# KiCad board HPM6750_COMBO_RevB .kicad_pcb (continued)
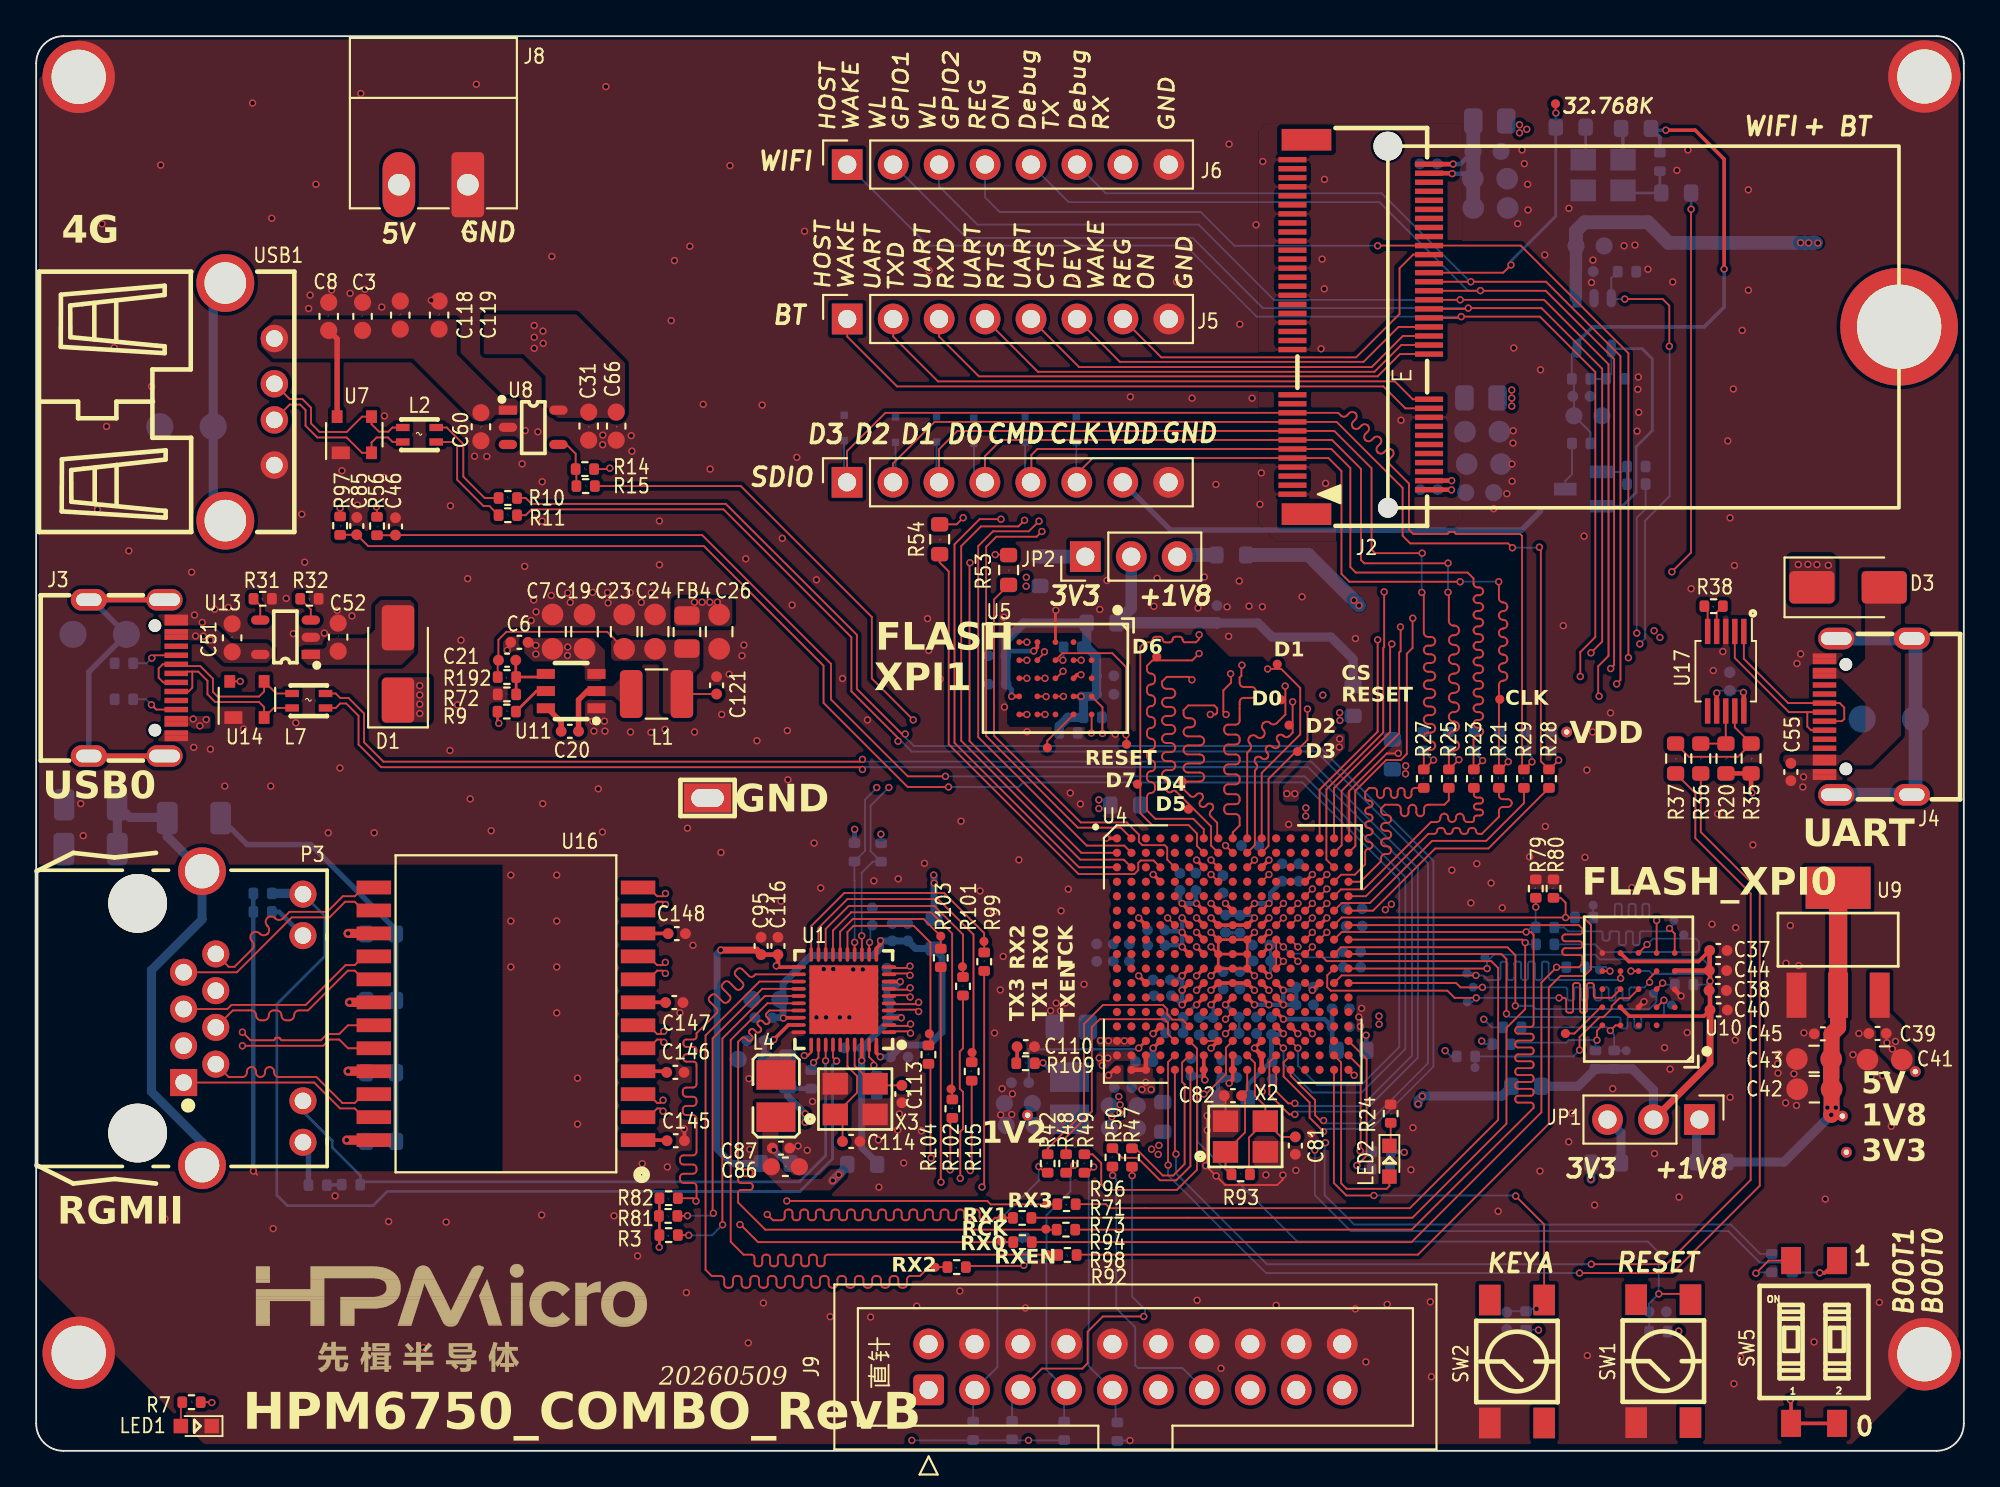
[diagram p0: board, top side]
## Routing (per net, layer and track width the routed paths; a pad name or vN(x,y) marks a point on that pad's centre or on a via; arc(x,y) is an arc through that point) (continued)
/01.MAIN/PY4: length 15
  Top w0.102: R42.2 55.91,16.72 57.92,18.73 57.92,23.61 58.97,24.66 62.28,24.66 62.52,24.42 62.52,24.13 62.8,23.85 63.36,23.85 U4.P6
/01.MAIN/PY6: length 65.7
  Top w0.102: v1(63,16.41) 62.94,16.47 U4.U5 ; R37.2 91.71,36.37 91.71,33.88 94.77,30.82 94.77,14.98 90.11,10.32 v1(85.96,10.32)
  Bottom w0.102: v1(63,16.41) 63,15.35 68.03,10.32 v1(85.96,10.32)
/01.MAIN/PY7: length 67.9
  Top w0.102: U4.T5 62.56,21.49 62.56,15.91 62.57,15.9 v1(62.57,15.8) ; R36.2 92.01,34.22 95.27,30.96 95.27,14.66 90.44,9.83 v1(85.31,9.83)
  Bottom w0.102: v1(85.31,9.83) 67.98,9.83 62.57,15.24 v1(62.57,15.8)
/01.MAIN/PZ1: length 41
  Top w0.102: v1(64.54,19.73) 64.66,19.73 65.76,20.83 65.76,22.29 U4.R9 ; SW1.4 91.12,8.68 v1(89.69,8.68)
  Bottom w0.102: R57.2 89.16,7.68 C48.1 89.15,8.14 v1(89.69,8.68) 89.69,10.97 89.09,11.57 69.72,11.57 64.19,17.1 64.19,19.38 v1(64.54,19.73)
/01.MAIN/PZ6: length 40.3
  Top w0.102: U4.N9 v1(65.74,23.87)
  POWER3 w0.102: v1(65.74,23.87) 66.27,23.87 66.61,23.53 66.61,20.61 66.83,20.39 66.83,19.29 69.08,17.04 v1(71.27,17.04)
  Bottom w0.102: R26.2 95.29,10.89 93.67,12.51 72.85,12.51 71.22,14.14 71.22,16.99 v1(71.27,17.04)
/01.MAIN/PZ7: length 40.7
  Top w0.102: U4.P9 v1(65.74,23.07)
  POWER3 w0.102: v1(65.74,23.07) 66.19,22.62 66.19,20.58 66.45,20.32 66.45,19.15 68.97,16.63 v1(70.68,16.63)
  Bottom w0.102: v1(70.68,16.63) 70.68,14.14 72.67,12.15 93.54,12.15 95.28,10.41 96.6,10.41 R39.2
/01.MAIN/USB0_N: length 88.2
  Top w0.102: U4.T12 68.16,21.49 68.16,19.71 69.26,18.61 v1(69.57,18.61) ; v1(45.67,38.24) 45.54,38.11 19.2,38.11 18.12,39.18 18.12,40.77 17.26,41.63 16.81,41.63 16.56,41.88 16,41.88
  Bottom w0.102: v1(45.67,38.24) 45.8,38.11 70.49,38.11 76.37,32.23 76.37,21.74 73.38,18.76 69.72,18.76 v1(69.57,18.61)
/01.MAIN/USB0_P: length 85.4
  Top w0.102: v1(45.67,37.68) 45.54,37.81 19.07,37.81 17.82,39.06 17.82,40.65 17.14,41.33 16.81,41.33 16.56,41.08 16,41.08 ; U4.U12 68.54,19.88 69.21,19.21 v1(69.57,19.21)
  Bottom w0.102: v1(45.67,37.68) 45.8,37.81 70.3,37.81 76.05,32.06 76.05,21.86 73.26,19.06 69.72,19.06 v1(69.57,19.21)
/01.MAIN/USB1_N: length 85
  Top w0.102: v1(71.16,17.66) 70.39,18.43 70.39,19.26 68.95,20.7 68.95,21.48 U4.T13 ; v1(48.04,39.64) 47.86,39.64 45.36,42.13 45.36,45.12 38.12,52.37 27.38,52.37 27.06,52.69 R10.2
  Bottom w0.102: v1(71.16,17.66) 71.31,17.81 73.79,17.81 77.23,21.25 77.23,32.62 70.88,38.97 48.52,38.97 48.04,39.46 v1(48.04,39.64)
/01.MAIN/USB1_P: length 82.4
  Top w0.102: v1(71.16,18.26) 70.98,18.26 70.69,18.55 70.69,19.39 69.34,20.75 U4.U13 ; v1(47.64,39.24) 47.64,39.42 45.06,42.01 45.06,45 37.99,52.06 27.38,52.06 27.06,51.74 R11.2
  Bottom w0.102: v1(47.64,39.24) 47.82,39.24 48.4,38.67 70.76,38.67 76.93,32.5 76.93,21.43 73.61,18.11 71.31,18.11 v1(71.16,18.26)
CK_P: length 28.1
  Top w0.102: U4.A9 66.14,34.2 66.52,34.58 66.52,34.99 arc(66.46,35.14) 66.3,35.21 65.89,35.21 arc(65.73,35.27) 65.67,35.43 65.67,35.54 arc(65.73,35.69) 65.89,35.76 66.3,35.76 arc(66.46,35.82) 66.52,35.98 66.52,36.09 arc(66.46,36.24) 66.3,36.31 65.89,36.31 arc(65.73,36.37) 65.67,36.53 65.67,36.64 arc(65.73,36.79) 65.89,36.86 66.3,36.86 arc(66.46,36.92) 66.52,37.08 66.52,37.19 arc(66.46,37.34) 66.3,37.41 65.89,37.41 arc(65.73,37.47) 65.67,37.63 65.67,37.74 arc(65.73,37.89) 65.89,37.96 66.3,37.96 arc(66.46,38.02) 66.52,38.18 66.52,38.29 arc(66.46,38.44) 66.3,38.51 65.89,38.51 arc(65.73,38.57) 65.67,38.73 65.67,38.84 arc(65.73,38.99) 65.89,39.06 66.3,39.06 arc(66.46,39.12) 66.52,39.28 66.52,39.39 arc(66.46,39.54) 66.3,39.61 65.89,39.61 arc(65.73,39.67) 65.67,39.83 65.67,39.94 arc(65.73,40.09) 65.89,40.16 66.3,40.16 arc(66.46,40.22) 66.52,40.38 66.52,41.4 arc(66.59,41.57) 66.76,41.64 67.18,41.64 arc(67.35,41.71) 67.42,41.88 67.42,42 arc(67.35,42.17) 67.18,42.24 66.76,42.24 arc(66.59,42.31) 66.52,42.48 66.52,42.76 66.62,42.86 66.62,43.42 v1(66.65,43.45) ; v1(57.76,43.72) U5.B2
  POWER3 w0.102: v1(66.65,43.45) 66.59,43.5 65.71,43.5 arc(65.58,43.55) 65.53,43.68 arc(65.48,43.8) 65.36,43.85 65.11,43.85 arc(64.98,43.8) 64.93,43.68 arc(64.88,43.55) 64.76,43.5 64.16,43.5 63.94,43.72 61.26,43.72 arc(61.19,43.69) 61.16,43.62 arc(61.13,43.55) 61.06,43.52 60.58,43.52 arc(60.51,43.55) 60.48,43.62 arc(60.45,43.69) 60.38,43.72 59.9,43.72 arc(59.83,43.69) 59.8,43.62 arc(59.77,43.55) 59.7,43.52 59.22,43.52 arc(59.15,43.55) 59.12,43.62 arc(59.09,43.69) 59.02,43.72 v1(57.76,43.72)
DCDC_GND: length 0.9
  Top w0.102: 59.73,22.68 U4.R1 U4.R2
  Bottom w0.102: 59.53,20.03 C91.2 ; C96.2 59.32,17.85
  vias: v1(58.83,22.69) v1(59.27,22.68) v1(59.45,18.47) v1(59.84,19.59) v1(59.91,19.14) v1(59.91,18.68) v1(60.15,22.67)
DCDC_IN: length 1.6
  Top w0.25: U4.U2 U4.U3 U4.T3
  vias: v1(61.12,19.98) v1(61.33,20.38) v1(61.63,19.98)
DCDC_LP: length 3.2
  Top w0.102: 59.72,21.89 U4.T1
  Top w0.2: R109.2 55.62,21.43 v1(55.65,21.46)
  Bottom w0.102: 57.76,21.31 L3.1
  Bottom w0.2: L3.1 56.44,20.67 v1(55.65,21.46)
  vias: v1(58.76,21.72) v1(58.93,21.31) v1(59.23,21.72)
Earth: length 18.8
  Top w0.3: J3.2 J3.4 ; J3.3 J3.1
  Bottom w0.3: J3.4 2.91,43.08 4.98,45.15 3.07,47.06 J3.3
VANA: length 5.8
  Top w0.2: U4.N12 v1(68.94,23.87)
  Bottom w0.254: v1(68.94,23.87) 71.21,23.87 C107.1 ; C106.1 C107.1 ; C107.1 71.63,22.4 71.88,22.15
Net-(C10-Pad1): length 11
  Top w0.254: J2.72 78.25,70.65 v1(78.27,70.63) ; J2.74 78.31,71.15 v1(78.32,71.16)
  Bottom w0.254: C9.1 79.13,70.63 v1(78.27,70.63) ; C10.1 78.72,71.16 v1(78.32,71.16) 77.45,71.16 C4.1
  Bottom w0.762: R66.1 79.43,68.73 79.44,68.73
Net-(C22-Pad1): length 2.6
  Top w0.254: v1(78.23,53.14) 78.22,53.15 J2.2 ; J2.4 v1(78.24,53.65)
  Bottom w0.102: 78.98,58.2 R65.1 ; 79.02,56.33 C32.1 ; 78.22,53.15 v1(78.23,53.14)
Net-(C57-Pad2): length 17.2
  Bottom w0.762: J4.1 J4.3 103.88,36.48 C57.2 103.88,44.72 J4.4 J4.2
Net-(C110-Pad1): length 0.9
  Top w0.2: C110.1 54.22,21.48 R109.1
Net-(C121-Pad1): length 11.7
  Top w0.102: R192.2 25.51,43.68 C21.1 25.55,44.85 25.99,45.29 31.56,45.29 C23.1 ; 35.46,41.85 C121.1
Net-(C150-Pad2): length 24
  Bottom w0.3: R161.1 19.88,28.57 R158.1 19.87,28.83 15.17,33.53 11.65,33.53 C150.2
Net-(J3-CC1): length 2.6
  Top w0.102: J3.A5 6.54,43.99 v1(6.39,43.84)
  Bottom w0.102: R33.1 6.1,43.55 v1(6.39,43.84)
Net-(J3-CC2): length 2.6
  Top w0.102: J3.B5 6.64,40.99 v1(6.37,41.26)
  Bottom w0.102: R34.1 6.07,41.56 v1(6.37,41.26)
Net-(J9-TCK): length 16
  Top w0.102: R49.1 58.13,15.38 v1(58.45,15.7)
  Bottom w0.102: 59.66,1.59 59.66,3.2 J9.9 58.18,4.68 58.18,15.43 v1(58.45,15.7) ; 59.68,3.29 59.28,3.69
Net-(J9-TDI): length 20.4
  Top w0.102: J9.5 55.59,4.55 57.83,4.55 58.12,4.84 58.12,6.59 58.96,7.43 v1(61.22,7.43) ; R47.1 60.57,15.23 v1(60.58,15.22)
  Bottom w0.102: J9.5 53.94,2.9 R449.2 ; v1(61.22,7.43) 61.29,7.5 61.29,7.81 60.58,8.52 v1(60.58,15.22) ; 53.96,3.45 54.2,3.69
Net-(J9-TDO): length 15.9
  Top w0.102: R50.1 59.49,15.24 v1(59.5,15.23)
  Bottom w0.102: J9.13 63.36,4.58 60.9,4.58 60.75,4.73 60.75,6.83 59.7,7.88 59.7,15.03 v1(59.5,15.23)
Net-(J9-TMS): length 16.1
  Top w0.102: v1(57.36,15.79) 57.34,15.79 R48.1
  Bottom w0.102: v1(57.36,15.79) 57.17,15.6 57.17,14.36 55.84,13.03 55.84,4.48 J9.7 56.82,3.24 R448.2 ; 56.84,3.59 56.74,3.69
Net-(J9-TRST): length 16.4
  Top w0.102: v1(55.42,15.72) 55.76,15.38 R42.1
  Bottom w0.102: v1(55.42,15.72) 55.42,14.95 53.13,12.66 53.13,4.63 J9.3 ; J9.3 51.79,3.29 R51.2 ; J9.3 51.78,3.28
Net-(JP1-A): length 2.4
  Bottom w0.508: FB2.2 91.78,18.17 JP1.1
Net-(JP1-B): length 2.7
  Bottom w0.508: FB1.2 87.6,17.58 JP1.3
Net-(JP2-A): length 2.5
  Bottom w0.762: JP2.1 55.51,49.45 55.48,49.48
Net-(JP2-B): length 2.2
  Bottom w0.762: FB7.2 63.16,49.54 JP2.3
Net-(L2-Pad2): length 6.1
  Top w0.102: L2.2 22.69,56.59 23.61,55.67 23.61,53.87 24.79,52.69 R10.1
Net-(L2-Pad3): length 6.2
  Top w0.102: L2.3 23.04,55.79 23.27,55.56 23.27,53.7 24.72,52.25 25.05,52.25 R11.1
Net-(LED1-A): length 1.4
  Top w0.102: R7.1 8,2.61 LED1.2
Net-(LED2-K): length 1.3
  Top w0.102: LED2.1 74.87,16.94 R24.2
Net-(P3-Pad9): length 2.5
  Bottom w0.3: R157.1 15.05,16.76 P3.9
Net-(P3-Pad11): length 2.3
  Bottom w0.254: P3.11 13.43,29.81 R155.1
Net-(Q1-D): length 2.7
  Bottom w0.102: R40.1 84.89,54.01 84.52,53.63 Q1.3
Net-(Q1-G): length 2.5
  Bottom w0.102: Q1.1 87.64,54.13 R45.2 R44.1
Net-(Q1-S): length 15.2
  Bottom w0.102: R30.1 R43.2 87.06,59.56 U3.4
  Bottom w0.152: U3.4 88.77,60.95 89.33,60.39 89.33,56.42 88.44,55.53 88.44,53 87.67,52.23 Q1.2
Net-(SW5-PIN3): length 2.8
  Top w0.2: v1(98.59,9.84) 98.86,9.84 SW5.3
  Bottom w0.102: v1(98.59,9.84) 98.57,9.86 R39.1
Net-(SW5-PIN4): length 3.1
  Top w0.102: SW5.4 95.76,10.52 v1(95.06,9.82)
  Bottom w0.102: v1(95.06,9.82) 95.11,9.87 R26.1
Net-(U1-CFG_EXT/LED0): length 1.6
  Top w0.102: v1(42.97,21.47) 43.24,21.74 U1.32
  Bottom w0.152: v1(42.97,21.47) 42.83,21.33 R83.2
Net-(U1-RSET): length 1.9
  Top w0.102: 46.02,22.43 U1.39 46.04,21.78 46.3,21.52 v1(46.3,21.32)
  Bottom w0.152: v1(46.3,21.32) 46.3,20.89 R78.2
Net-(U1-TXC): length 13.9
  Top w0.102: U1.20 42.84,29.02 44.67,30.85 50.18,30.85 52.4,28.63 R99.2
Net-(U1-TXCTL): length 18.6
  Top w0.102: U1.19 43.24,28.91 44.84,30.51 49.85,30.51 51.81,28.55 51.81,21.59 R105.2
Net-(U1-TXD0): length 12.5
  Top w0.102: U1.18 43.64,28.86 44.91,30.13 49.65,30.13 51.23,28.55 R101.2
Net-(U1-TXD1): length 18
  Top w0.102: U1.17 44.04,28.77 45.05,29.78 49.46,29.78 50.63,28.61 50.63,19.44 R102.2
Net-(U1-TXD2): length 8.2
  Top w0.102: R103.2 TP42.1 49.05,29.41 45.14,29.41 44.44,28.71 U1.16
Net-(U1-TXD3): length 12.1
  Top w0.102: U1.15 44.84,28.69 45.18,29.03 48.51,29.03 49.43,28.11 49.43,22.53 R104.2
Net-(U4B-XTAL_IN): length 9.4
  Top w0.102: U4.T10 67.36,21.45 67.36,19.64 67.94,19.06 X2.3 ; R93.2 67.04,15.34 67.04,17.33 X2.3 ; X2.3 68.81,17.36 C81.1
Net-(U4B-XTAL_OUT): length 6.6
  Top w0.102: U4.U10 66.94,19.95 C82.1 66.82,19.45 66.82,17.61 X2.1 65.74,15.62 R93.1
Net-(U4E-USB0_VBUS): length 85.2
  Top w0.102: U4.R12 v1(68.94,22.27) ; R56.2 19.85,50.63 C46.1 36.81,50.64 43.93,43.52 43.93,41.55 48.18,37.3 v1(50.26,37.3)
  Bottom w0.102: v1(50.26,37.3) 70.11,37.3 75.68,31.73 75.68,22.23 73.26,19.81 70.53,19.81 68.94,21.4 v1(68.94,22.27)
Net-(U4E-USB1_VBUS): length 85.6
  Top w0.102: R97.2 16.81,50.66 C85.1 18.35,50.03 36.91,50.03 43.52,43.42 43.52,41.36 48.17,36.71 v1(50.43,36.71) ; U4.R13 v1(69.74,22.27)
  Bottom w0.102: v1(50.43,36.71) 54.3,36.71 54.55,36.96 69.99,36.96 75.35,31.6 75.35,22.34 73.24,20.23 70.81,20.23 69.74,21.3 v1(69.74,22.27)
Net-(U5-DNU(PSC)): length 2.4
  Top w0.102: U5.B5 55.89,39.27 TP47.1
Net-(U5-VCC): length 19.8
  Top w0.2: v1(57.76,41.72) U5.B4 ; v1(55.14,44.23) 55.34,44.43 U5.D1 ; v1(53.92,41.72) U5.E4
  Bottom w0.102: 58.49,41.72 C53.1 ; 57.77,41.73 v1(57.76,41.72) ; 53.57,44.01 C65.1
  Bottom w0.254: C65.1 53.86,44.23 v1(55.14,44.23) ; 53.6,42.41 C49.1 53.91,42.1 53.91,41.73 v1(53.92,41.72)
  Bottom w0.508: 58.49,41.72 v1(57.76,41.72) 57.89,41.59 R59.1 57.03,40.56 56.55,40.08 R60.1 ; 53.6,42.41 C65.1 53.6,44.8 54.58,45.78 R63.1 58.07,44.7 R61.1 58.08,44.44 58.61,43.91 C54.1 C53.1
Net-(U8-EN): length 2.9
  Top w0.102: U8.4 29.31,55.65 29.82,55.14 R14.1 ; R15.1 29.86,54.25
Net-(U10-DNU(PSC)): length 2.6
  Top w0.102: U10.B5 86.48,24.53 85.03,23.08 TP46.1
Net-(U11-EN): length 2.1
  Top w0.15: U11.5 27.65,42.01 R9.2
Net-(U11-SW): length 3.2
  Top w0.102: 32.96,42.01 33.12,41.85
  Top w0.3: U11.2 30.46,42.01 29.98,41.53 C20.2
Net-(U11-VBST): length 1.7
  Top w0.3: U11.6 28.26,41.06 29.02,40.3 C20.1
Net-(U11-VFB): length 3.6
  Top w0.15: R192.1 26.51,42.81 C21.2 ; R192.1 R72.2 ; R192.1 28,42.79 U11.4
Net-(U13-EN): length 1.3
  Top w0.102: R31.2 12.38,46.74 U13.4
Net-(U13-IADJ): length 1.4
  Top w0.102: U13.3 15.18,46.53 R32.2
Net-(U13-IN):
  vias: v1(8.68,40.47) v1(8.81,45.06) v1(9.05,40.09) v1(9.24,45.05) v1(9.4,40.44) v1(9.63,44.83)
Net-(U16-MCT1): length 2.6
  Top w0.508: v1(17.16,17.18) U16.24
  Bottom w0.508: R161.2 18.16,17.18 v1(17.16,17.18)
Net-(U16-MCT2): length 2.4
  Top w0.508: v1(17.24,20.99) U16.21
  Bottom w0.508: v1(17.24,20.99) 18.15,20.99 R160.2
Net-(U16-MCT3): length 2.3
  Top w0.508: v1(17.32,24.8) U16.18
  Bottom w0.508: v1(17.32,24.8) 18.13,24.8 R159.2
Net-(U16-MCT4): length 2.4
  Top w0.508: v1(17.24,28.61) U16.15
  Bottom w0.508: R158.2 18.19,28.61 v1(17.24,28.61)
Net-(U16-TCT1): length 1.6
  Top w0.203: U16.1 34.84,17.18 C145.1
Net-(U16-TCT2): length 1.6
  Top w0.203: C146.1 34.79,20.99 U16.4
Net-(U16-TCT4): length 1.7
  Top w0.203: C148.1 34.92,28.61 U16.10
Net-(U16-TDT3): length 1.5
  Top w0.203: C147.1 34.78,24.8 U16.7
Net-(U17-RXD): length 6.9
  Top w0.102: U17.9 93.89,40.01 R35.1 94.06,38.38 91.35,38.38 R37.1
Net-(U17-TXD): length 3.2
  Top w0.102: R36.1 R20.1 93.39,39.12 U17.8
Net-(U17-~{CTS}): length 1.5
  Top w0.102: U17.5 92.39,46.53 R38.2
Net-(U17-~{RTS}): length 1.5
  Top w0.102: U17.4 92.89,46.37 R38.1
Net-(USB1-SHLD): length 13.7
  Bottom w0.508: USB1.5 9.79,63.91 C47.1 9.79,52.11 USB1.5
Net-(X1-OUT): length 1.9
  Bottom w0.152: X1.3 85.65,71.54 R67.1
Net-(X1-TRI_state): length 3.4
  Bottom w0.152: R69.1 89.75,69.64 89.82,69.56 87.85,69.56 X1.1
Net-(X1-VDD): length 1.8
  Bottom w0.2: X1.4 87.71,73.03 87.6,73.13

## Copper pours and planes (outline as drawn; the poured copper is in the pictures)
+1V8 on Bottom: 89.3,45.58 89.76,45.58 89.95,45.39 89.95,33.79 91.43,32.31 99.49,32.31 100.08,31.72 100.08,30.03 100.04,29.99 91.06,29.99 88.6,32.45 88.6,43.02 89.04,43.46 89.04,45.32
+1V8 on Bottom: 98.6,18.23 98.6,31.09 98.62,31.11 99.85,31.11 100.07,30.89 100.07,18.98 99.42,18.33 98.92,18.33 98.82,18.23
+1V8 on POWER3: 72.87,47.26 72.87,47.51 72.72,47.66 88.34,47.66 90.13,45.87 90.13,44.84 90,44.79 89.46,44.79 88.18,46.07 72.76,46.07 72.7,46.13 72.7,47.04 72.92,47.26
+3.3V on Top: 35.4,47.13 38.37,47.13 38.48,47.02 38.48,45.75 38.32,45.59 35.36,45.59 35.27,45.68 35.27,47
+3.3V on Bottom: 61.8,18.04 61.8,17.3 61.45,16.95 61.45,16.49 61.76,16.18 62.27,16.18 62.65,16.56 62.65,17.76 62.38,18.04
+3.3V on Bottom: 80.76,74.37 82.57,74.37 82.57,72.89 82.3,72.62 80.98,72.62 80.76,72.84
+3.3V on Bottom: 54.46,48.55 55.96,48.55 55.96,47.5 55.84,47.38 54.35,47.38 54.35,48.44
+3.3V on Bottom: 80.24,59.08 82.05,59.08 82.05,57.74 81.77,57.46 80.33,57.46 80.24,57.55
+3.3V on POWER3: -0.38,77.76 104.35,77.76 104.35,6.52 98.2,0.37 -0.06,0.37
+5V on Top: 101.35,26.45 101.35,23.89 101.91,23.33 101.91,22.1 103.02,20.99 103.58,20.99 103.84,21.25 103.84,22.08 103.12,22.8 103.12,23.58 102.43,24.27 102.43,26.19 102.17,26.45
+5V on Top: 26.97,44.94 30.77,44.94 31.44,44.27 31.44,42.84 31.17,42.57 30.43,42.57 30.32,42.68 30.32,43.31 29.98,43.65 27.46,43.65 26.97,44.14
+5V on Top: 19.21,42.79 21.77,42.79 21.77,40.42 21.64,40.29 19.46,40.29 19.21,40.54
+5V on Top: 99.46,46.99 96.9,46.99 96.9,49.36 97.03,49.49 99.21,49.49 99.46,49.24
+5V on Top: 24.74,62.85 29.85,62.85 32.55,60.15 32.55,57.33 32.34,57.12 28.83,57.12 28.15,57.8 28.15,59.42 26.93,60.64 24.75,60.64 24.74,60.65
+5V on POWER3: 11.55,39.35 26.88,39.35 30.28,42.75 30.28,68.48 35.43,73.63 94.04,73.63 95.76,71.91 95.76,57.38 95.79,57.41 95.79,48.35 95.8,48.33 95.92,48.45 95.92,30.3 95.98,30.24 95.94,30.26 95.96,30.24 95.96,22.22 103.48,22.22 104.29,24.01 104.29,72.66 99.16,77.79 6.73,77.79 0.38,71.44 0.38,41.3 2.26,39.42 11.28,39.42 11.29,39.41 11.4,39.41 11.54,39.36
/01.MAIN/13.ETH_RGMII/VDD10 on Top: 40.13,18.45 40.13,15.53 41.26,14.4 43.88,14.4 44.69,15.21 44.69,15.47 44.59,15.57 43.93,15.57 43.39,15.03 41.76,15.03 41.03,15.76 41.03,18.08 40.66,18.45
GND on Top: 78.82,73.38 78.82,51.52 77.6,50.3 68.53,50.3 67.56,51.27 67.56,72.98 67.96,73.38
GND on Top, Bottom, GND2: 2.32,78.04 106.26,78.04 106.26,6.28 100.35,0.37 9.29,0.37 0.07,9.59 0.07,75.79
GND on GND2: 26.86,56.12 95.67,56.12 95.67,11.26 94.81,10.4 36.12,10.4 26.86,19.66
VDD_SDIO_BT on Top: 72.28,39.65 72.34,39.59 72.34,38.86 69.8,36.32 69.8,36.04 69.66,35.9 69.04,35.9 68.91,36.03 68.91,36.76 71.8,39.65
VDD_SDIO_BT on Bottom: 74.99,38.67 75.25,38.93 75.25,39.66 75.21,39.7 72.09,39.7 71.75,39.36 71.75,38.79 71.87,38.67
VDD_SDIO_BT on Bottom: 60.63,36.19 64.5,36.19 64.97,36.65 69.67,36.65 69.81,36.51 69.81,36.12 69.62,35.93 65.4,35.93 64.71,35.24 61.02,35.24 60.63,35.64
VDD_SDIO_BT on Bottom: 84.67,61.57 85.52,61.57 85.59,61.5 85.59,60 85.29,59.7 85.29,57.81 85.45,57.65 85.45,56.88 85.11,56.54 84.63,56.54 83.91,55.82 83.91,54.07 83.51,53.67 83.51,52.43 84.74,51.2 84.74,40.04 84.04,39.34 76,39.34 75.56,38.9 74.49,38.9 74.49,39.7 74.87,40.08 75.17,40.08 75.56,40.47 82.85,40.47 83.44,41.06 83.44,51.01 82.52,51.93 82.52,55.91 84.37,57.76 84.37,61.27
VDD_SOC on Bottom: 55.84,19.31 58.26,19.31 58.26,17.45 58.23,17.42 54.93,17.42 54.58,17.77 54.58,20.58 54.6,20.6 54.6,20.87 54.23,21.24 54.23,21.93 54.24,21.94 54.24,24.93 54.25,24.92 54.25,25.54 56.14,27.43 64.5,27.43 64.65,27.58 64.65,28.82 64.85,29.02 67.42,29.02 67.76,28.68 67.76,26.29 67.49,26.02 65.51,26.02 65.48,26.05 64.82,26.05 64.59,26.28 64.59,26.34 64.34,26.59 60.36,26.59 60.05,26.28 57.25,26.28 55.35,24.38 55.35,19.9 55.95,19.3 55.85,19.3
+5P on Top: 13.16,62.58 23.25,62.58 23.25,60.64 23.82,60.07 23.81,60.07 25.16,58.72 25.16,58.73 25.69,58.2 26.45,58.2 26.66,57.99 26.66,57.44 26.52,57.3 25.4,57.3 25.08,56.98 24.23,56.98 23.84,57.37 23.84,57.38 20.82,60.4 13.1,60.4 12.43,61.07 12.43,61.85
/01.MAIN/05.MCU_PB&PC&PD/VIO_B03 on Bottom: 58.32,36.33 59.82,36.33 59.82,35.28 59.7,35.16 58.21,35.16 58.21,36.22
/01.MAIN/05.MCU_PB&PC&PD/VIO_B03 on POWER3: 58.46,36.2 61.87,36.2 63.79,34.28 63.79,32.29 64.36,31.72 64.36,30.21 64.21,30.06 63.34,30.06 63.32,30.04 63.17,30.19 63.17,33.45 61.29,35.33 58.65,35.33 58.46,35.52
/01.MAIN/05.MCU_PB&PC&PD/VIO_B04 on Bottom: 64.79,30.06 65.95,30.06 66.47,30.58 66.47,30.61 66.77,30.91 66.78,30.91 66.92,31.05 66.92,34.97 67.13,35.18 69.51,35.18 69.8,34.89 70.44,34.89 70.51,34.96 70.51,35.5 70.26,35.75 66.51,35.75 66.12,35.36 66.12,31.19 65.64,30.71 64.9,30.71 64.73,30.54 64.73,30.12
/01.MAIN/05.MCU_PB&PC&PD/VIO_B04 on Bottom: 71.86,41.02 73.21,41.02 73.21,40.36 73.01,40.16 72.04,40.16 71.86,40.34
/01.MAIN/05.MCU_PB&PC&PD/VIO_B04 on POWER3: 72.25,41.06 72.29,41.02 72.29,40.12 70.71,38.54 70.71,35.01 70.35,34.65 70.09,34.65 69.92,34.82 69.92,38.78 71.49,40.35 71.49,40.82 71.73,41.06
/01.MAIN/06.MCU_PE&PD/B06 on Bottom: 76.05,37.19 74.45,37.19 74.45,38.01 74.57,38.13 76.06,38.13 76.06,37.2
/01.MAIN/06.MCU_PE&PD/B06 on Bottom: 68.75,30.58 69.07,30.9 71.14,30.9 71.16,30.88 74.47,30.88 74.99,30.36 74.99,29.91 74.76,29.68 69.55,29.68 69.2,29.33 68.82,29.33 68.75,29.4
/01.MAIN/06.MCU_PE&PD/B06 on POWER3: 75.39,38.15 75.9,38.15 76.09,37.96 76.09,30.6 75.08,29.59 74.34,29.59 74.26,29.67 74.26,30.63 75.21,31.58 75.22,31.58 75.22,37.81 75.21,37.82 75.21,37.97
/01.MAIN/06.MCU_PE&PD/B07 on Bottom: 68.76,26.84 69.17,26.43 71.89,26.43 73.94,24.38 73.94,23.48 74.14,23.28 74.56,23.28 74.66,23.38 74.66,25.16 73.5,26.32 72.92,26.32 72.64,26.6 72.64,27.9 72.46,28.08 71.98,28.08 71.55,27.65 70.49,27.65 69.85,28.29 68.89,28.29 68.76,28.16
/01.MAIN/06.MCU_PE&PD/B07 on POWER3: 74,24.33 74.48,24.33 74.58,24.23 74.58,23.32 76.9,21 76.9,19.23 76.6,18.93 76.25,18.93 75.97,19.21 75.97,20.74 73.97,22.74 73.97,24.3
DCDC_GND on Top: 58.68,22.88 60.64,22.88 60.64,22.55 60.45,22.35 58.77,22.35 58.61,22.51 58.61,22.81
DCDC_GND on Bottom: 57.82,24.11 59.07,24.11 60.45,22.73 60.45,22.54 58.34,22.54 57.73,23.15 57.73,24.02
DCDC_GND on Bottom: 58.7,17.42 58.7,20.26 58.88,20.44 59.94,20.44 60.07,20.31 60.07,17.58 59.61,17.12 59,17.12
DCDC_GND on GND2: 59.13,19.69 59.71,20.27 59.71,21.91 59.28,22.34 58.52,22.34 58.37,22.49 58.37,22.87 58.65,23.15 60.17,23.15 60.45,22.87 60.45,18.82 59.83,18.2 59.33,18.2 59.13,18.4
DCDC_IN on Top: 60.45,21.41 61.43,21.41 61.73,21.11 61.73,20.69 61.86,20.56 61.86,19.85 61.72,19.71 61.11,19.71 60.32,20.51 60.32,21.28
DCDC_IN on Bottom: 60.2,20.41 60.2,17.48 60.41,17.27 61.18,17.27 61.55,17.64 61.55,18.61 61.75,18.81 62.69,18.81 63.09,19.21 63.09,19.67 62.18,20.58 60.37,20.58
DCDC_LP on Top: 58.78,22.1 60.62,22.1 60.82,21.9 60.82,21.69 60.69,21.56 59.63,21.56 59.17,21.1 58.92,21.1 58.63,21.39 58.63,21.95
DCDC_LP on Bottom: 56.19,21.56 56.46,21.83 58.02,21.83 58.13,21.94 59.44,21.94 59.61,21.77 59.61,21.52 58.29,20.2 56.43,20.2 56.19,20.44
Net-(C22-Pad1) on Bottom: 79.65,59.24 79.65,52.87 79.2,52.42 77.75,52.42 77.37,52.8 77.37,53.4 78.28,54.31 78.28,59.24
Net-(C121-Pad1) on Top: 31.77,44.85 36.67,44.85 36.67,43.32 36.28,42.93 36.28,40.77 34.64,40.77 34.64,43.56 34.51,43.69 31.94,43.69 31.77,43.85
Net-(D1-A) on Top: 14.81,44.35 15.9,44.35 16.05,44.5 16.05,44.71 16.28,44.94 18.25,44.94 18.73,45.42 18.73,46.73 19.05,47.05 20.67,47.05 20.9,46.82 20.9,44.16 20.2,43.46 15,43.46 14.67,43.79 14.67,44.21
Net-(D3-A) on Top: 101.42,37.9 103.08,39.56 103.08,47.94 102.37,48.65 100.9,48.65 100.9,47.63 101.09,47.44 101.09,43.79 100.6,43.3 98.2,43.3 98.2,42.7 99.68,42.7 99.69,42.71 99.75,42.71 101.11,41.35 101.11,39.85 99.74,38.48 98.22,38.48 98.2,38.5 96.68,38.5 96.56,38.38 96.56,38.15 96.81,37.9
Net-(U1-REG_OUT/LDO_OUT) on Top: 42.48,23.22 42.53,23.17 42.53,23.07 42.39,22.93 42.06,22.93 41.75,22.62 41.75,21.37 41.09,20.71 40.29,20.71 40.13,20.87 40.13,21.43 41.16,22.46 41.16,22.79 41.59,23.22
Net-(U11-SW) on Top: 31.88,42.29 32.36,42.77 33.07,42.77 33.07,41.31 32.71,40.96 32.21,41.46 31.9,41.73 30.78,41.73 30.66,41.85 30.66,42.15 30.8,42.29
Net-(U13-IN) on Top: 7.33,40.63 9.64,40.63 9.64,39.96 9.62,39.94 8.5,39.94 8.39,40.04 7.74,40.04 7.33,40.46
Net-(U13-IN) on Top: 7.09,45.44 10.02,45.44 10.79,44.67 12.76,44.67 13.09,44.34 13.09,43.9 12.76,43.57 10.39,43.57 9.15,44.81 8.04,44.81 8.03,44.82 7.72,44.82
Net-(U13-IN) on Bottom: 9.78,45.33 9.83,45.28 9.83,40.15 9.54,39.86 8.43,39.86 8.24,40.05 8.24,44.92 8.65,45.33

## Text on the board
B.Silkscreen: DQS | CLKN | CLKP | D2 | A / 使用RGMII, / 这部分不焊接 | D0 | D3 | D1 | D6 | D4 | CS | CLK | D7 | D5
F.Silkscreen: 32.768K | HOST / WAKE | UART / TXD | WL / GPIO1 | UART / RXD | WL / GPIO2 | UART / RTS | REG / ON | UART / CTS | Debug / TX | DEV / WAKE | Debug / RX | GND | 1 | 5V | SDIO | WIFI | BT | D3 | D2 | D1 | D0 | CMD | CLK | 3V3 | VDD | +1V8 | KEYA | RESET | + | BOOT1 / BOOT0 | 0 | RX2 | RX0 | RCK | RX1 | RXEN | RX3 | D7 | D6 | D4 | D5 | CS | TX3 | TX1 | TCK | TXEN | 20260509 | 1V2 | 1V8 | USB0 | RGMII | 4G | XPI1 | FLASH | FLASH_XPI0 | UART | HPM6750_COMBO_RevB
